# Allegro board STANDARD.brd (continued)
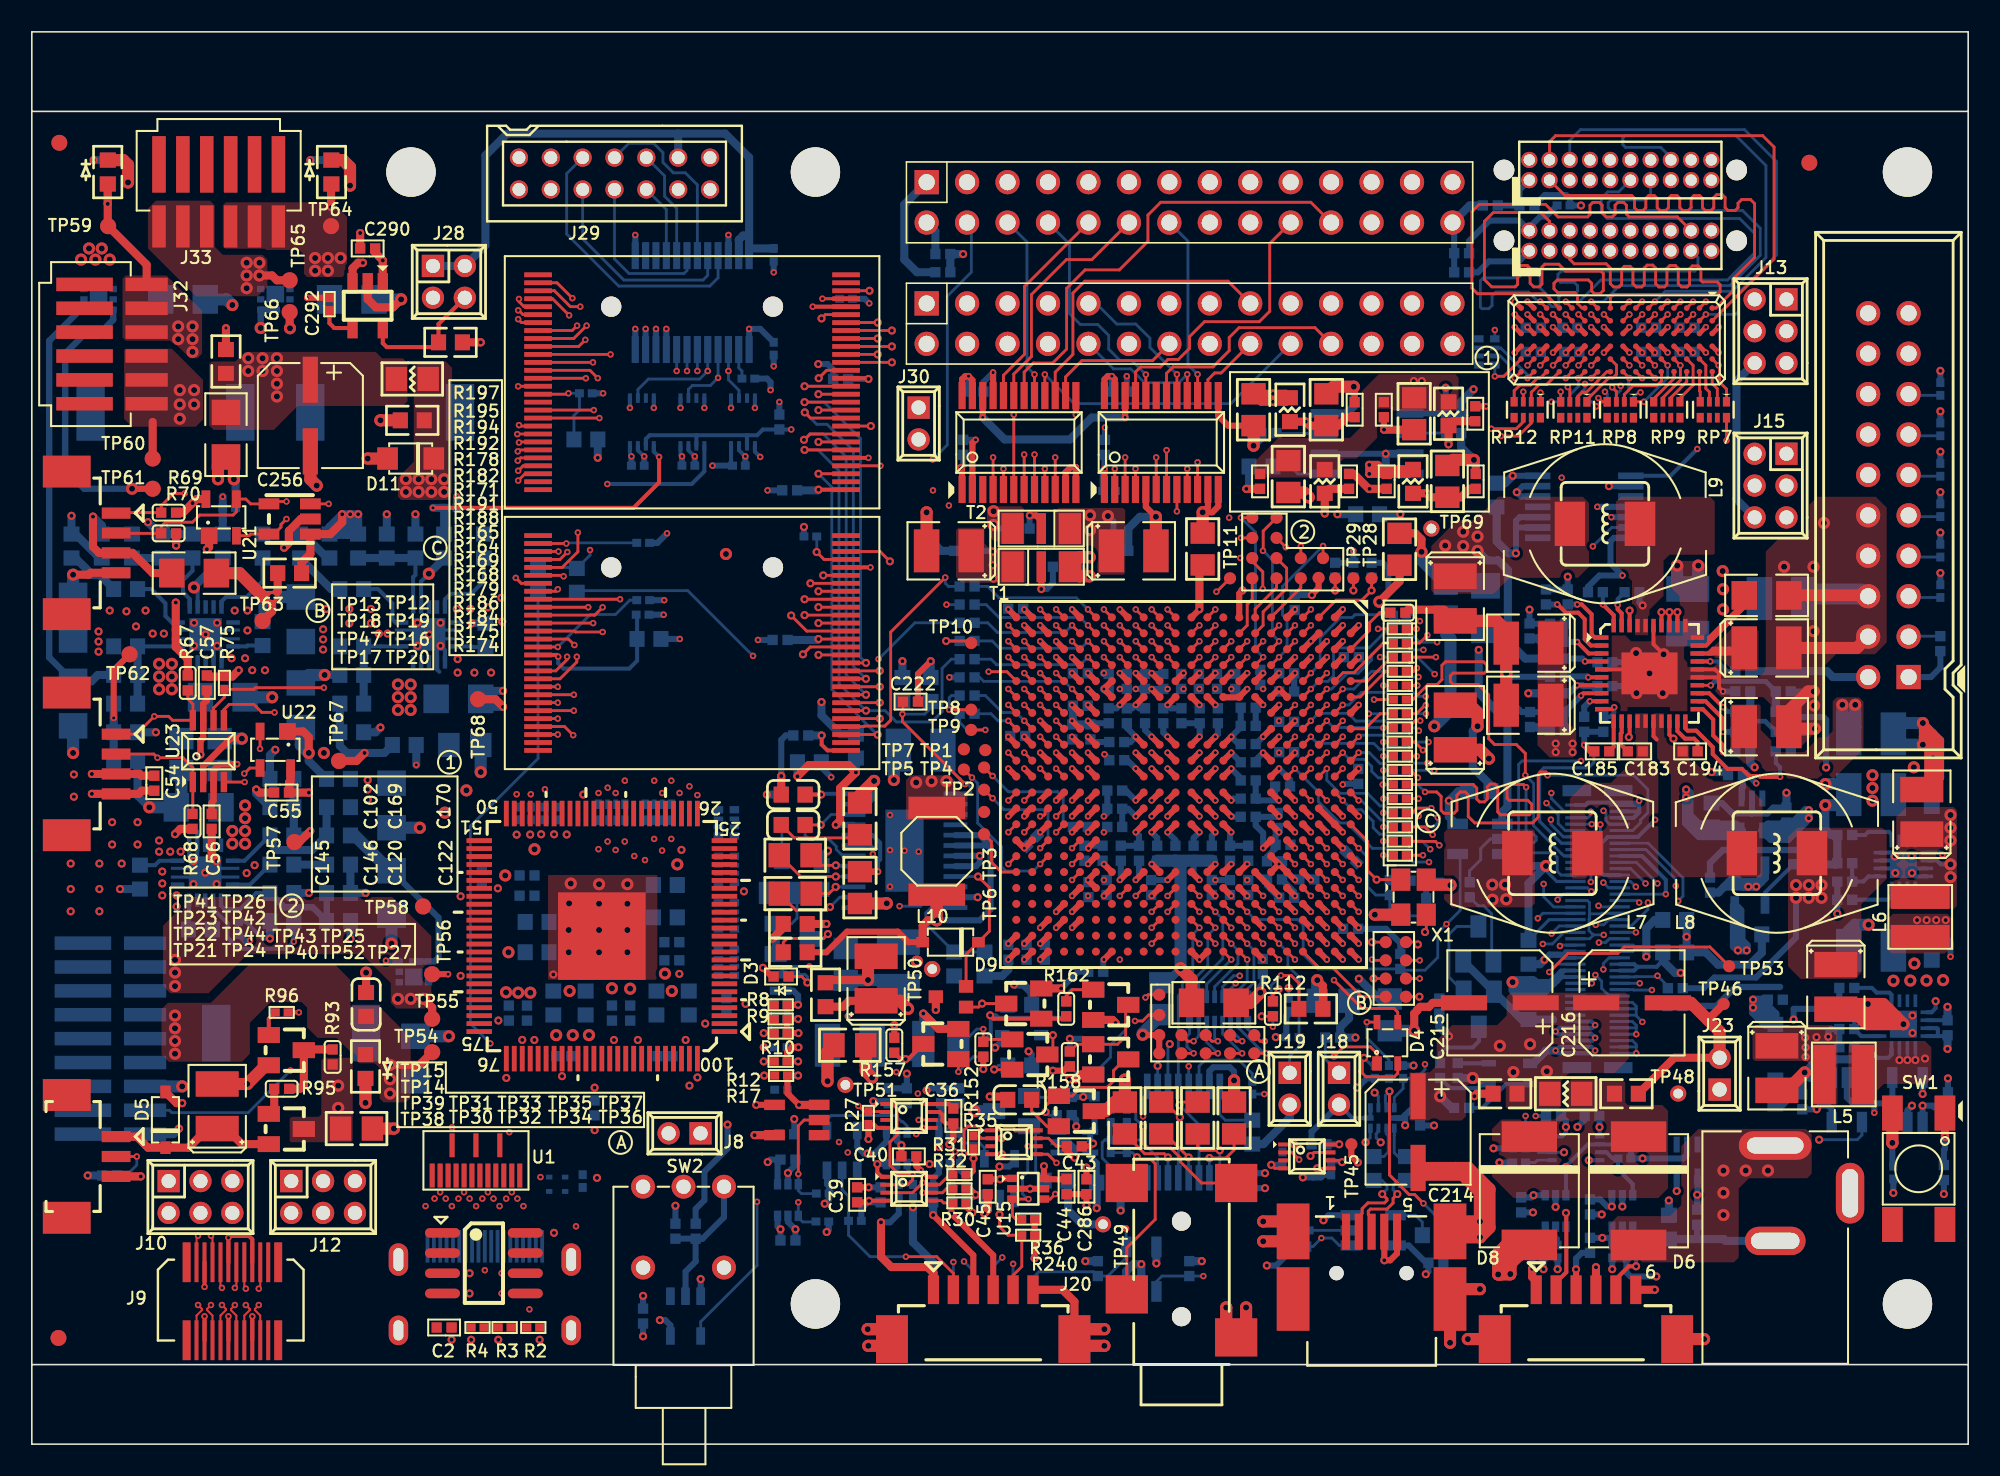
[diagram p0: board, top side]
## Copper pours and planes (outline as drawn; the poured copper is in the pictures) (continued)
P12V_CONN on TOP: 111.41,19.81 111.77,19.45 111.77,16.99 111.49,16.71 107.83,16.71 107.19,16.07 107.19,11.73 106.89,11.43 99.15,11.43 99.1,11.48 99.1,13.51 99.1,13.52 99.1,13.84 99.59,14.33 102.89,14.33 103.59,15.03 103.59,18.73 104.67,19.81
P12V_CONN on 5-VCC: 40.14,5.7 40.14,11.03 37.79,13.38 22.99,13.38 20.09,16.28 20.09,30.28 22.04,32.23 22.04,63.13 14.09,71.08 14.09,74.33 12.49,75.93 5.99,75.93 5.59,76.33 5.59,79.43 5.79,79.63 19.99,79.63 20.39,79.23 20.39,77.48 19.99,77.08 19.99,71.68 21.04,70.63 29.79,70.63 34.94,65.48 34.94,42.53 28.79,36.38 28.79,20.98 30.74,19.03 43.94,19.03 47.64,15.33 57.09,15.33 61.94,10.48 86.64,10.48 87.34,9.78 102.39,9.78 105.34,12.73 105.34,18.08 106.89,19.63 111.39,19.63 112.24,18.78 112.24,5.7
P12V_LD on TOP: 21.59,68.63 13.39,68.63 12.79,68.03 11.29,68.03 11.14,67.88 11.14,64.01 11.41,63.73 15.19,63.73 16.69,65.23 23.29,65.23 23.59,65.53 23.59,67.93 23.29,68.23 21.99,68.23
P12V_LD on BOTTOM: 26.79,42.93 25.59,42.93 25.39,43.13 25.39,44.93 24.99,45.33 22.79,45.33 22.49,45.63 22.49,49.23 22.89,49.63 25.09,49.63 25.09,48.33 25.39,48.03 26.09,48.03 26.29,47.83 26.29,46.13 26.99,45.43 26.99,43.13
P12V_LD on BOTTOM: 12.49,43.23 11.09,43.23 10.69,42.83 10.69,37.13 13.59,37.13 13.79,37.33 13.79,40.28 12.69,41.38 12.69,43.03
P12V_LD on BOTTOM: 11.09,49.63 7.79,49.63 7.49,49.33 7.49,46.63 8.29,45.83 8.29,43.83 8.69,43.43 10.09,43.43 10.49,43.83 10.49,45.03 11.49,46.03 11.49,48.18 11.09,48.58
P12V_LD on 7-VCC: 0.7,36.53 0.7,83.04 33.49,83.04 33.49,76.58 32.04,75.13 22.64,75.13 18.89,71.38 18.89,48.93 19.69,48.13 23.94,48.13 24.14,47.93 24.14,45.03 22.99,43.88 12.34,43.88 11.54,43.08 11.54,41.43 12.29,40.68 14.69,40.68 14.69,37.58 13.64,36.53
P12V_SUPPLY on TOP: 20.15,24.13 20.15,19.1 20.03,18.97 16.29,18.97 16.19,19.07 16.19,20.44 16.32,20.57 18.02,20.57 18.17,20.72 18.17,24.1 18.35,24.28 20,24.28
P12V_SUPPLY on TOP: 96.4,51.66 96.4,45.39 96.99,44.8 96.99,43.33 96.81,43.15 95.31,43.15 94.55,43.91 94.55,51.66 94.65,51.76 96.3,51.76
P12V_SUPPLY on TOP: 106.66,46.38 106.66,43.63 107.52,42.78 108.39,42.78 109.34,41.83 113.17,41.83 115.02,43.68 115.02,46.66 114.74,46.94 113.34,46.94 113.09,46.68 113.09,44.8 112.71,44.42 112.23,44.42 111.29,43.48 109.34,43.48 109.24,43.58 109.24,44.21 108.57,44.88 108.57,46.38 108.47,46.48 106.76,46.48
P12V_SUPPLY on TOP: 89.8,20.34 90.05,20.6 90.05,22.45 90.23,22.63 92.49,22.63 92.57,22.55 92.57,21.18 92.62,21.13 95.92,21.13 96.05,21.26 96.05,22.83 96.55,23.33 99.39,23.33 100.29,24.23 100.29,28.16 100.09,28.37 92.87,28.37 92.62,28.11 92.62,26.93 92.02,26.33 89.19,26.33 88.22,25.36 88.22,23.8 87.79,23.36 86.55,23.36 86.5,23.31 86.5,20.39 86.55,20.34
P12V_SUPPLY on BOTTOM: 118.69,40.79 118.79,40.69 119.82,40.69 119.92,40.59 119.92,37.74 119.67,37.49 117.16,37.49 117.08,37.56 117.08,38.73 116.78,39.03 115.49,39.03 115.19,39.33 115.19,42.53 115.59,42.93 118.39,42.93 118.69,42.63
P12V_SUPPLY on BOTTOM: 108.98,50.06 109.38,50.47 109.38,55.37 108.93,55.83 105.98,55.83 105.55,55.39 105.55,52.8 105.39,52.65 102.21,52.65 102.19,52.63 100.04,52.63 99.89,52.48 99.89,51.43 100.19,51.13 101.19,51.13 102.26,50.06
P12V_SUPPLY on BOTTOM: 116.01,32.53 116.01,29.05 116.39,28.67 116.98,28.67 117.05,28.6 117.05,27.45 117.16,27.35 118.5,27.35 118.68,27.53 118.68,28.19 118.83,28.34 120.56,28.34 120.61,28.39 120.61,30.93 120.46,31.09 118.25,31.09 118.07,31.26 118.07,32.26 117.69,32.64 116.11,32.64
P12V_SUPPLY on 5-VCC: 82.97,15.87 82.61,16.23 82.61,17.57 82.97,17.93 86.3,17.93 87.46,19.1 87.46,27.2 88.35,28.09 96.99,28.09 101.49,32.59 108.22,32.59 109.05,33.42 109.05,42.44 108.21,43.28 94.74,43.28 94.74,54.58 92.59,56.73 89.84,56.73 88.44,58.13 85.84,58.13 84.8,59.18 84.8,62.53 87.29,62.53 90.44,59.38 95.29,59.38 98.68,55.98 112.45,55.98 114.54,53.89 114.54,46.84 120.9,46.84 120.9,28.52 119.01,28.52 117.48,26.99 103.5,26.99 98.24,21.73 94.5,21.73 88.63,15.87
P12VS on TOP: 96.48,22.93 99.86,22.93 100.06,22.73 100.06,21.46 100.21,21.31 102.4,21.31 102.75,20.95 102.75,16.07 102.14,15.46 93.06,15.46 91.69,16.83 91.69,19.79 92.29,20.39 95.61,20.39 96.35,21.13 96.35,22.75 96.48,22.88
VCC on BOTTOM: 102.99,27.93 99.09,27.93 98.99,27.83 98.99,24.33 99.09,24.23 106.59,24.23 108.49,22.33 109.99,22.33 110.19,22.53 110.19,25.23 109.89,25.53 108.69,25.53 107.39,26.83 103.39,26.83 103.09,27.13 103.09,27.83
VCC on 7-VCC: 104.81,5.7 104.81,22.6 103.87,23.54 100.95,23.54 100.31,24.18 100.31,29.26 99.25,30.32 92.61,30.32 92.61,33.98 91.93,34.66 86.34,34.66 86.34,39.73 87.44,40.83 107.13,40.83 107.13,27.93 112.89,27.93 112.89,25.78 120.9,25.78 120.9,5.7
BLU_ANODE on TOP: 12.19,78.03 11.99,77.83 11.99,75.23 12.19,75.03 16.79,75.03 17.09,74.73 17.09,73.53 17.29,73.33 19.49,73.33 19.79,73.63 19.79,77.13 18.89,78.03
BLU_ANODE on BOTTOM: 19.69,75.13 17.59,75.13 17.29,74.83 17.29,69.53 16.09,68.33 16.09,63.13 16.49,62.73 19.59,62.73 19.99,63.13 19.99,74.83
BLU_CATHODE on TOP: 11.19,78.13 7.79,78.13 7.29,77.63 7.29,75.13 10.29,72.13 14.19,72.13 14.79,72.73 14.79,74.43 14.49,74.73 11.99,74.73 11.49,75.23 11.49,77.83
BLU_CATHODE on BOTTOM: 16.59,71.73 13.29,71.73 12.89,72.13 12.89,74.43 13.19,74.73 16.59,74.73 16.79,74.53 16.79,71.93
EXT_1V8 on 7-VCC: 0.7,5.7 0.7,36.03 13.84,36.03 15.19,37.38 15.19,40.98 14.99,41.18 12.49,41.18 12.04,41.63 12.04,42.88 12.54,43.38 23.19,43.38 24.64,44.83 24.64,48.13 24.14,48.63 19.89,48.63 19.39,49.13 19.39,71.18 22.84,74.63 32.24,74.63 33.99,76.38 33.99,83.04 110.44,83.04 110.44,76.03 106.04,71.63 106.04,69.13 105.59,68.68 93.69,68.68 93.1,69.28 93.1,76.35 95.1,78.35 95.1,81.05 94.63,81.53 91.3,81.53 90.59,80.82 90.59,78.76 90.15,78.33 54.44,78.33 53.15,77.04 53.15,73.55 53.86,72.85 84.56,72.85 85.51,71.9 85.51,64.23 72.96,64.23 71.46,65.73 29.37,65.73 28.31,64.67 28.31,25.11 28.99,24.43 42.44,24.43 44.84,22.03 48.44,22.03 48.44,18.78 49.49,17.73 63.81,17.73 64.2,17.34 64.2,5.7
GRN_ANODE on TOP: 8.49,73.43 5.89,73.43 5.69,73.23 5.69,69.53 5.89,69.33 8.69,69.33 9.79,68.23 10.39,68.23 10.69,68.53 10.69,71.23
GRN_ANODE on BOTTOM: 8.79,73.03 6.99,73.03 6.79,72.83 6.79,69.03 5.29,67.53 3.39,67.53 2.59,66.73 2.59,63.13 2.79,62.93 5.69,62.93 7.69,64.93 7.69,65.63 10.49,68.43 10.49,70.43 10.29,70.63 9.19,70.63 8.99,70.83 8.99,72.83
GRN_CATHODE on TOP: 8.79,68.83 5.89,68.83 5.79,68.73 5.79,64.43 6.29,63.93 10.29,63.93 10.89,64.53 10.89,66.73
GRN_CATHODE on BOTTOM: 5.59,71.73 2.79,71.73 2.59,71.93 2.59,75.23 2.99,75.63 5.59,75.63 5.79,75.43 5.79,71.93
GRN_CATHODE on 4--SIG: 5.79,75.38 5.79,69.63 8.39,67.03 10.29,67.03 10.49,66.83 10.49,64.23 10.09,63.83 2.94,63.83 2.29,64.48 2.29,75.48 2.59,75.78 5.39,75.78
OVCC_3V3 on 7-VCC: 45.04,22.53 42.64,24.93 29.19,24.93 28.81,25.31 28.81,42.68 42.53,42.68 42.53,29.92 43.01,29.44 47.96,29.44 48.5,28.9 48.5,22.53
P1P2V on TOP: 88.89,38.63 88.69,38.43 88.69,34.23 89.19,33.73 91.53,33.73 91.53,33.73 93.61,33.73 93.61,33.73 94.14,33.73 94.39,33.98 94.39,38.53 94.29,38.63
P1P2V on TOP: 58.04,57.43 58.04,54.48 58.39,54.13 62.34,54.13 62.44,54.23 62.44,56.03 62.29,56.18 60.69,56.18 60.52,56.35 60.07,56.35 59.83,56.59 59.83,57.5 59.75,57.58 58.19,57.58
P1P2V on 5-VCC: 91.19,33.73 90.74,34.18 90.74,40.84 90.11,41.47 82.89,41.47 82.31,40.89 82.31,34.52 81.92,34.13 78.07,34.13 78.01,34.19 78.01,35.5 78.22,35.71 79.49,35.71 80.12,36.34 80.12,37.97 79.69,38.4 75.27,38.4 74.59,37.72 74.59,35.94 73.87,35.22 66.2,35.22 66,35.43 66,36.77 66.36,37.14 68.11,37.14 68.66,37.69 68.66,43.11 66.54,45.23 58.69,45.23 57.69,46.23 57.69,56.98 57.99,57.28 60.64,57.28 60.94,56.98 60.94,53.53 60.54,53.13 60.54,49.73 61.42,48.84 66.43,48.84 66.64,48.64 66.64,47.14 67.01,46.76 76.62,46.76 77.07,47.21 77.07,50.71 77.69,51.33 84.69,51.33 85.49,52.13 85.49,54.63 83.09,57.03 77.59,57.03 77.07,57.55 77.07,65.76 77.69,66.38 83.69,66.38 84.29,65.78 84.29,62.68 84.3,62.67 84.3,58.97 85.64,57.63 88.24,57.63 89.64,56.23 92.39,56.23 94.24,54.38 94.24,34.18 93.79,33.73
P1P2V_FPD on 6-SIG: 65.87,55.95 65.87,54.17 66.67,53.37 66.67,46.78 67.24,46.21 67.24,42.97 67.02,42.74 64.96,42.74 64.58,42.36 64.58,40.43 64.83,40.18 69.66,40.18 70.42,40.94 70.42,53.39 67.62,56.18 66.1,56.18
P1P8V_LDO on TOP: 89.39,64.93 84.59,64.93 84.49,64.83 84.49,63.23 83.19,61.93 82.39,61.93 81.99,61.53 81.99,60.93 81.79,60.73 76.89,60.73 76.79,60.83 76.79,61.73 78.29,63.23 82.79,63.23 83.53,63.97 83.53,66.17 84.59,67.23 89.39,67.23 89.59,67.03 89.59,65.13
P1P9V on TOP: 116.19,38.73 110.89,38.73 110.29,38.13 110.29,30.03 111.09,29.23 114.49,29.23 114.89,29.63 114.89,33.93 116.49,35.53 116.49,38.43
P1P9V on 7-VCC: 107.63,28.43 107.63,41.33 87.24,41.33 85.84,39.93 85.84,34.66 67.55,34.66 64.85,37.36 64.85,51.48 66.95,53.58 85.49,53.58 89.56,49.5 108.01,49.5 112.89,44.63 112.89,28.43
P3P3V on TOP: 64.42,56.46 66.61,56.46 66.91,56.16 66.91,54.73 67.02,54.63 68.56,54.63 68.67,54.73 68.67,58.68 68.52,58.83 64.47,58.83 64.32,58.68 64.32,56.56
P3P3V on TOP: 108.21,24.08 111.44,24.08 111.74,23.77 111.74,21.43 111.87,21.31 113.27,21.31 113.4,21.43 113.4,25.98 113.04,26.34 108.27,26.34 108.06,26.13 108.06,24.23
P3P3V on BOTTOM: 18.39,51.43 16.09,51.43 15.89,51.23 15.89,49.63 16.09,49.43 19.69,49.43 19.89,49.63 19.89,50.63 19.69,50.83 18.99,50.83
P3P3V on BOTTOM: 23.49,42.43 19.59,42.43 19.49,42.33 19.49,39.53 19.59,39.43 20.59,39.43 21.69,40.53 23.49,40.53 23.59,40.63 23.59,42.33
P3P3V on BOTTOM: 4.19,51.43 1.69,51.43 1.49,51.23 1.49,49.83 1.79,49.53 5.59,49.53 5.69,49.63 5.69,50.73 5.49,50.93 4.79,50.93 4.39,51.33 4.29,51.33
P3P3V on 4--SIG: 39.64,29.03 27.44,29.03 23.39,24.98 23.39,12.03 24.69,10.73 38.79,10.73 40.69,12.63 40.69,27.98
P3P3V on 5-VCC: 0.7,5.7 0.7,83.04 120.9,83.04 120.9,47.34 115.04,47.34 115.04,54.1 112.66,56.48 98.89,56.48 95.49,59.88 90.64,59.88 87.84,62.68 87.49,63.03 84.79,63.03 84.79,65.98 83.89,66.88 77.49,66.88 76.57,65.96 76.57,57.35 77.39,56.53 82.89,56.53 84.99,54.43 84.99,52.33 84.49,51.83 77.49,51.83 76.57,50.91 76.57,47.42 76.41,47.26 67.22,47.26 67.14,47.34 67.14,48.84 66.64,49.34 61.63,49.34 61.04,49.93 61.04,52.93 61.44,53.33 61.44,57.18 60.84,57.78 57.79,57.78 57.19,57.18 57.19,46.03 58.49,44.73 66.34,44.73 68.16,42.9 68.16,37.9 67.9,37.64 66.15,37.64 65.5,36.98 65.5,35.22 66,34.72 74.08,34.72 75.09,35.73 75.09,37.51 75.48,37.9 79.48,37.9 79.62,37.76 79.62,36.55 79.28,36.21 78.01,36.21 77.51,35.71 77.51,33.98 77.86,33.63 82.13,33.63 82.81,34.31 82.81,40.69 83.1,40.97 89.9,40.97 90.24,40.63 90.24,33.98 90.99,33.23 93.99,33.23 94.74,33.98 94.74,42.78 108,42.78 108.55,42.23 108.55,33.63 108.01,33.09 101.28,33.09 96.78,28.59 88.15,28.59 86.96,27.4 86.96,19.3 86.09,18.43 82.76,18.43 82.11,17.78 82.11,16.02 82.76,15.37 88.84,15.37 94.7,21.23 98.45,21.23 103.71,26.49 117.69,26.49 119.21,28.02 120.9,28.02 120.9,5.7 112.74,5.7 112.74,18.98 111.59,20.13 106.69,20.13 104.84,18.28 104.84,12.93 102.19,10.28 87.54,10.28 86.84,10.98 62.14,10.98 57.29,15.83 47.84,15.83 44.14,19.53 30.94,19.53 29.29,21.18 29.29,36.18 35.44,42.33 35.44,65.68 29.99,71.13 21.24,71.13 20.49,71.88 20.49,76.88 20.89,77.28 20.89,79.43 20.19,80.13 5.59,80.13 5.09,79.63 5.09,76.13 5.79,75.43 12.29,75.43 13.59,74.13 13.59,70.88 21.54,62.93 21.54,32.43 19.59,30.48 19.59,16.08 22.79,12.88 37.59,12.88 39.64,10.83 39.64,5.7
P3P3V_FPD on TOP: 62.32,58.75 62.32,56.56 62.21,56.46 60.72,56.46 59.98,57.2 59.98,58.8 60.23,59.05 62.01,59.05
P3P3V_FPD on 3-SIG: 67.39,39.13 67.39,43.68 67.04,44.03 64.98,44.03 64.75,43.8 64.75,39.14 64.98,38.91 67.17,38.91
P3P3V_FPD on 6-SIG: 61.07,58.35 61.07,58.85 60.79,59.13 59.85,59.13 59.09,58.37 59.09,50.33 61.73,47.69 61.73,43.48 62.08,43.13 66.39,43.13 66.59,43.33 66.59,44.62 65.9,45.31 65.9,53.52
PP5P0V on TOP: 120.69,40.03 117.69,40.03 117.09,39.43 117.09,35.53 116.59,35.03 116.59,33.73 116.79,33.53 120.59,33.53 120.89,33.83 120.89,39.83
PP5P0V on 7-VCC: 117.64,34.88 117.64,48.63 115.69,50.58 115.69,60.23 114.84,61.08 86.34,61.08 86.01,61.41 86.01,72.11 84.77,73.35 54.06,73.35 53.65,73.76 53.65,76.83 54.65,77.83 90.36,77.83 91.09,78.56 91.09,80.61 91.5,81.03 94.42,81.03 94.6,80.84 94.6,78.56 92.6,76.55 92.6,69.07 93.49,68.18 105.79,68.18 106.54,68.93 106.54,71.43 110.94,75.83 110.94,83.04 120.9,83.04 120.9,34.88
RED_ANODE on TOP: 23.49,21.48 22.09,21.48 21.84,21.73 21.84,23.63 21.54,23.93 20.54,23.93 20.44,24.03 20.44,24.23 19.14,25.53 17.94,25.53 17.29,26.18 17.29,27.43 16.94,27.78 14.99,27.78 13.69,26.48 13.69,24.53 13.19,24.03 8.59,24.03 8.14,24.48 8.14,27.33 8.54,27.73 11.24,27.73 13.69,30.18 18.99,30.18 19.99,29.18 19.99,27.63 20.09,27.53 21.79,27.53 23.79,25.53 23.79,21.78
RED_ANODE on BOTTOM: 9.04,27.53 5.79,27.53 5.59,27.33 5.59,23.63 5.79,23.43 9.09,23.43 9.39,23.73 9.39,27.18
RED_ANODE on BOTTOM: 19.99,21.73 20.19,21.53 24.89,21.53 25.09,21.73 25.09,23.73 24.89,23.93 23.59,23.93 22.79,24.73 22.79,26.93 21.99,27.73 20.14,27.73 19.99,27.58
RED_CATHODE on TOP: 8.69,28.33 8.24,28.78 8.24,32.58 10.04,34.38 22.64,34.38 25.09,31.93 25.09,27.78 24.69,27.38 22.89,27.38 22.54,27.73 22.54,28.98 20.74,30.78 13.54,30.78 11.09,28.33
RED_CATHODE on BOTTOM: 8.79,31.98 5.79,31.98 5.59,31.78 5.59,28.13 5.79,27.93 9.19,27.93 9.39,28.13 9.39,31.38
RED_CATHODE on BOTTOM: 25.34,29.93 22.64,29.93 22.44,29.73 22.44,27.63 22.59,27.48 25.39,27.48 25.54,27.63 25.54,29.73
VBIAS on BOTTOM: 55.74,32.48 55.92,32.31 55.92,31.64 57.36,30.2 58.28,30.2 58.51,29.97 58.51,28.88 58.46,28.83 56.75,28.83 56.08,29.5 56.08,29.7 55.92,29.87 55.56,29.87 55.05,30.37 50.38,30.37 50.23,30.53 50.23,31.8 50.43,32 50.45,32 50.66,32.2 50.66,33.83 50.78,33.96 52.41,33.96 52.59,33.78 52.59,32.71 52.82,32.48
VOFFSET on 7-VCC: 70.87,5.7 70.87,25.86 69.81,26.92 65.08,26.92 64.23,26.06 64.23,23.16 63.38,22.32 56.4,22.32 55.68,23.04 55.68,26.16 54.59,27.25 54.59,27.76 55.08,28.25 60.59,28.25 60.94,27.89 62.19,27.89 62.85,28.54 62.85,31.42 61.61,32.66 59.47,32.66 58.81,33.32 58.81,44.4 55.94,47.27 55.94,49.55 56.04,49.66 64.35,49.66 64.35,37.15 67.34,34.16 91.73,34.16 92.11,33.78 92.11,29.82 99.04,29.82 99.81,29.05 99.81,23.97 100.74,23.04 103.67,23.04 104.31,22.4 104.31,5.7
VRST on 7-VCC: 64.7,5.7 64.7,17.55 64.02,18.23 49.69,18.23 48.94,18.98 48.94,22.18 49,22.24 49,29.11 48.17,29.94 43.22,29.94 43.03,30.12 43.03,42.82 43.04,42.83 43.04,43.03 43.03,43.04 43.03,46.52 43.79,47.28 49.89,47.28 49.89,43.5 49.54,43.15 46.36,43.15 45.23,42.01 45.23,38.81 46.31,37.72 51.39,37.72 51.6,37.51 51.6,25.75 53.22,24.13 55.18,24.13 55.18,22.83 56.19,21.82 63.59,21.82 64.73,22.96 64.73,25.85 65.29,26.42 69.6,26.42 70.37,25.65 70.37,5.7
N34604614 on TOP: 101.49,45.93 100.59,45.93 100.59,42.98 99.17,41.56 97.58,41.56 96.59,40.57 96.59,35.73 96.79,35.53 101.99,35.53 102.14,35.68 102.14,42.48 101.69,42.93 101.69,43.93 101.49,44.13
N34755569 on TOP: 108.29,51.23 106.74,51.23 105.49,49.98 104.24,49.98 104.14,49.88 104.14,49.48 104.24,49.38 106.04,49.38 106.84,48.58 108.29,48.58 108.44,48.73 108.44,51.08
N38089677 on TOP: 102.49,45.93 101.69,45.93 101.69,44.13 101.89,43.93 101.89,43.12 102.93,42.08 102.93,35.7 103.01,35.62 108.58,35.62 108.69,35.73 108.69,40.43 107.49,41.63 105.64,41.63 104.49,42.78 104.29,42.78 104.09,42.98 104.09,43.83 103.69,44.23 102.99,44.23 102.49,44.73
N38091881 on TOP: 105.39,59.53 99.79,59.53 99.49,59.23 99.49,55.23 100.49,54.23 100.49,50.93 100.59,50.83 101.49,50.83 101.59,50.93 101.59,52.43 102.47,53.31 102.47,55.51 102.84,55.88 105.59,55.88 105.69,55.98 105.69,59.23
N40043989 on BOTTOM: 13.99,66.83 12.09,66.83 11.89,66.63 11.89,62.73 13.39,61.23 13.39,58.43 12.79,57.83 12.79,55.13 12.39,54.73 11.59,54.73 10.69,53.83 10.69,52.13 11.59,52.13 11.59,53.03 11.99,53.43 12.99,53.43 13.69,54.13 13.69,56.33 13.89,56.53 15.19,56.53 15.44,56.78 15.44,63.78 14.29,64.93 14.29,66.53
N40046888 on BOTTOM: 28.09,66.93 26.09,66.93 25.69,66.53 25.69,62.33 27.29,60.73 27.29,58.43 26.69,57.83 26.69,55.03 26.39,54.73 25.69,54.73 24.79,53.83 24.79,52.13 25.59,52.13 25.59,53.13 26.09,53.63 26.69,53.63 27.69,54.63 27.69,56.33 27.99,56.63 29.09,56.63 29.29,56.83 29.29,65.73
N40049385 on BOTTOM: 11.09,34.63 10.19,34.63 10.19,33.23 10.59,32.83 10.59,31.73 9.89,31.03 9.89,24.33 10.19,24.03 12.59,24.03 12.79,24.23 12.79,28.43 11.99,29.23 11.99,32.73 11.09,33.63
N40892373 on TOP: 120.29,33.33 116.89,33.33 116.49,32.93 116.49,31.13 116.79,30.83 120.49,30.83 120.69,31.03 120.69,32.93
N40892373 on BOTTOM: 120.19,35.33 117.19,35.33 117.19,33.73 118.29,32.63 120.39,32.63 120.69,32.93 120.69,34.83
N40960273 on TOP: 118.89,25.33 114.39,25.33 114.09,25.03 114.09,21.43 114.29,21.23 115.79,21.23 115.89,21.33 115.89,22.23 116.29,22.63 118.99,22.63 119.29,22.93 119.29,24.93
N40960273 on BOTTOM: 119.19,25.43 117.19,25.43 116.99,25.23 116.99,23.98 117.19,23.78 119.19,23.78 119.39,23.98 119.39,25.23

## Text on the board
Ref Des/Silkscreen Bottom: F | G | H | E | I | J
Ref Des/Silkscreen Top: 2 | B | C | 1 | A
User.22: FIGURE | SIZE | 0.2032 | 0.254 | 0.381 | 0.6096 | 0.7112 | 0.8128 | 0.89 | 0.9 | 1.016 | 1.27 | 1.2 | 1.3 | 3.0988 | 1.26x0.62 | 1.44x0.62 | 3.048x1.016 | 3.556x1.016 | DRILL CHART: TOP to BOTTOM | ALL UNITS ARE IN MILLIMETERS | TOLERANCE | +0.0/-0.0 | +0.0762/-0.0762 | +0.1016/-0.0508 | PLATED | NON-PLATED | QTY | 997 | 507 | 265 | 5 | 40 | 14 | 28 | 10 | 76 | 4 | 2 | 1
